# KiCad board numpad.kicad_pcb
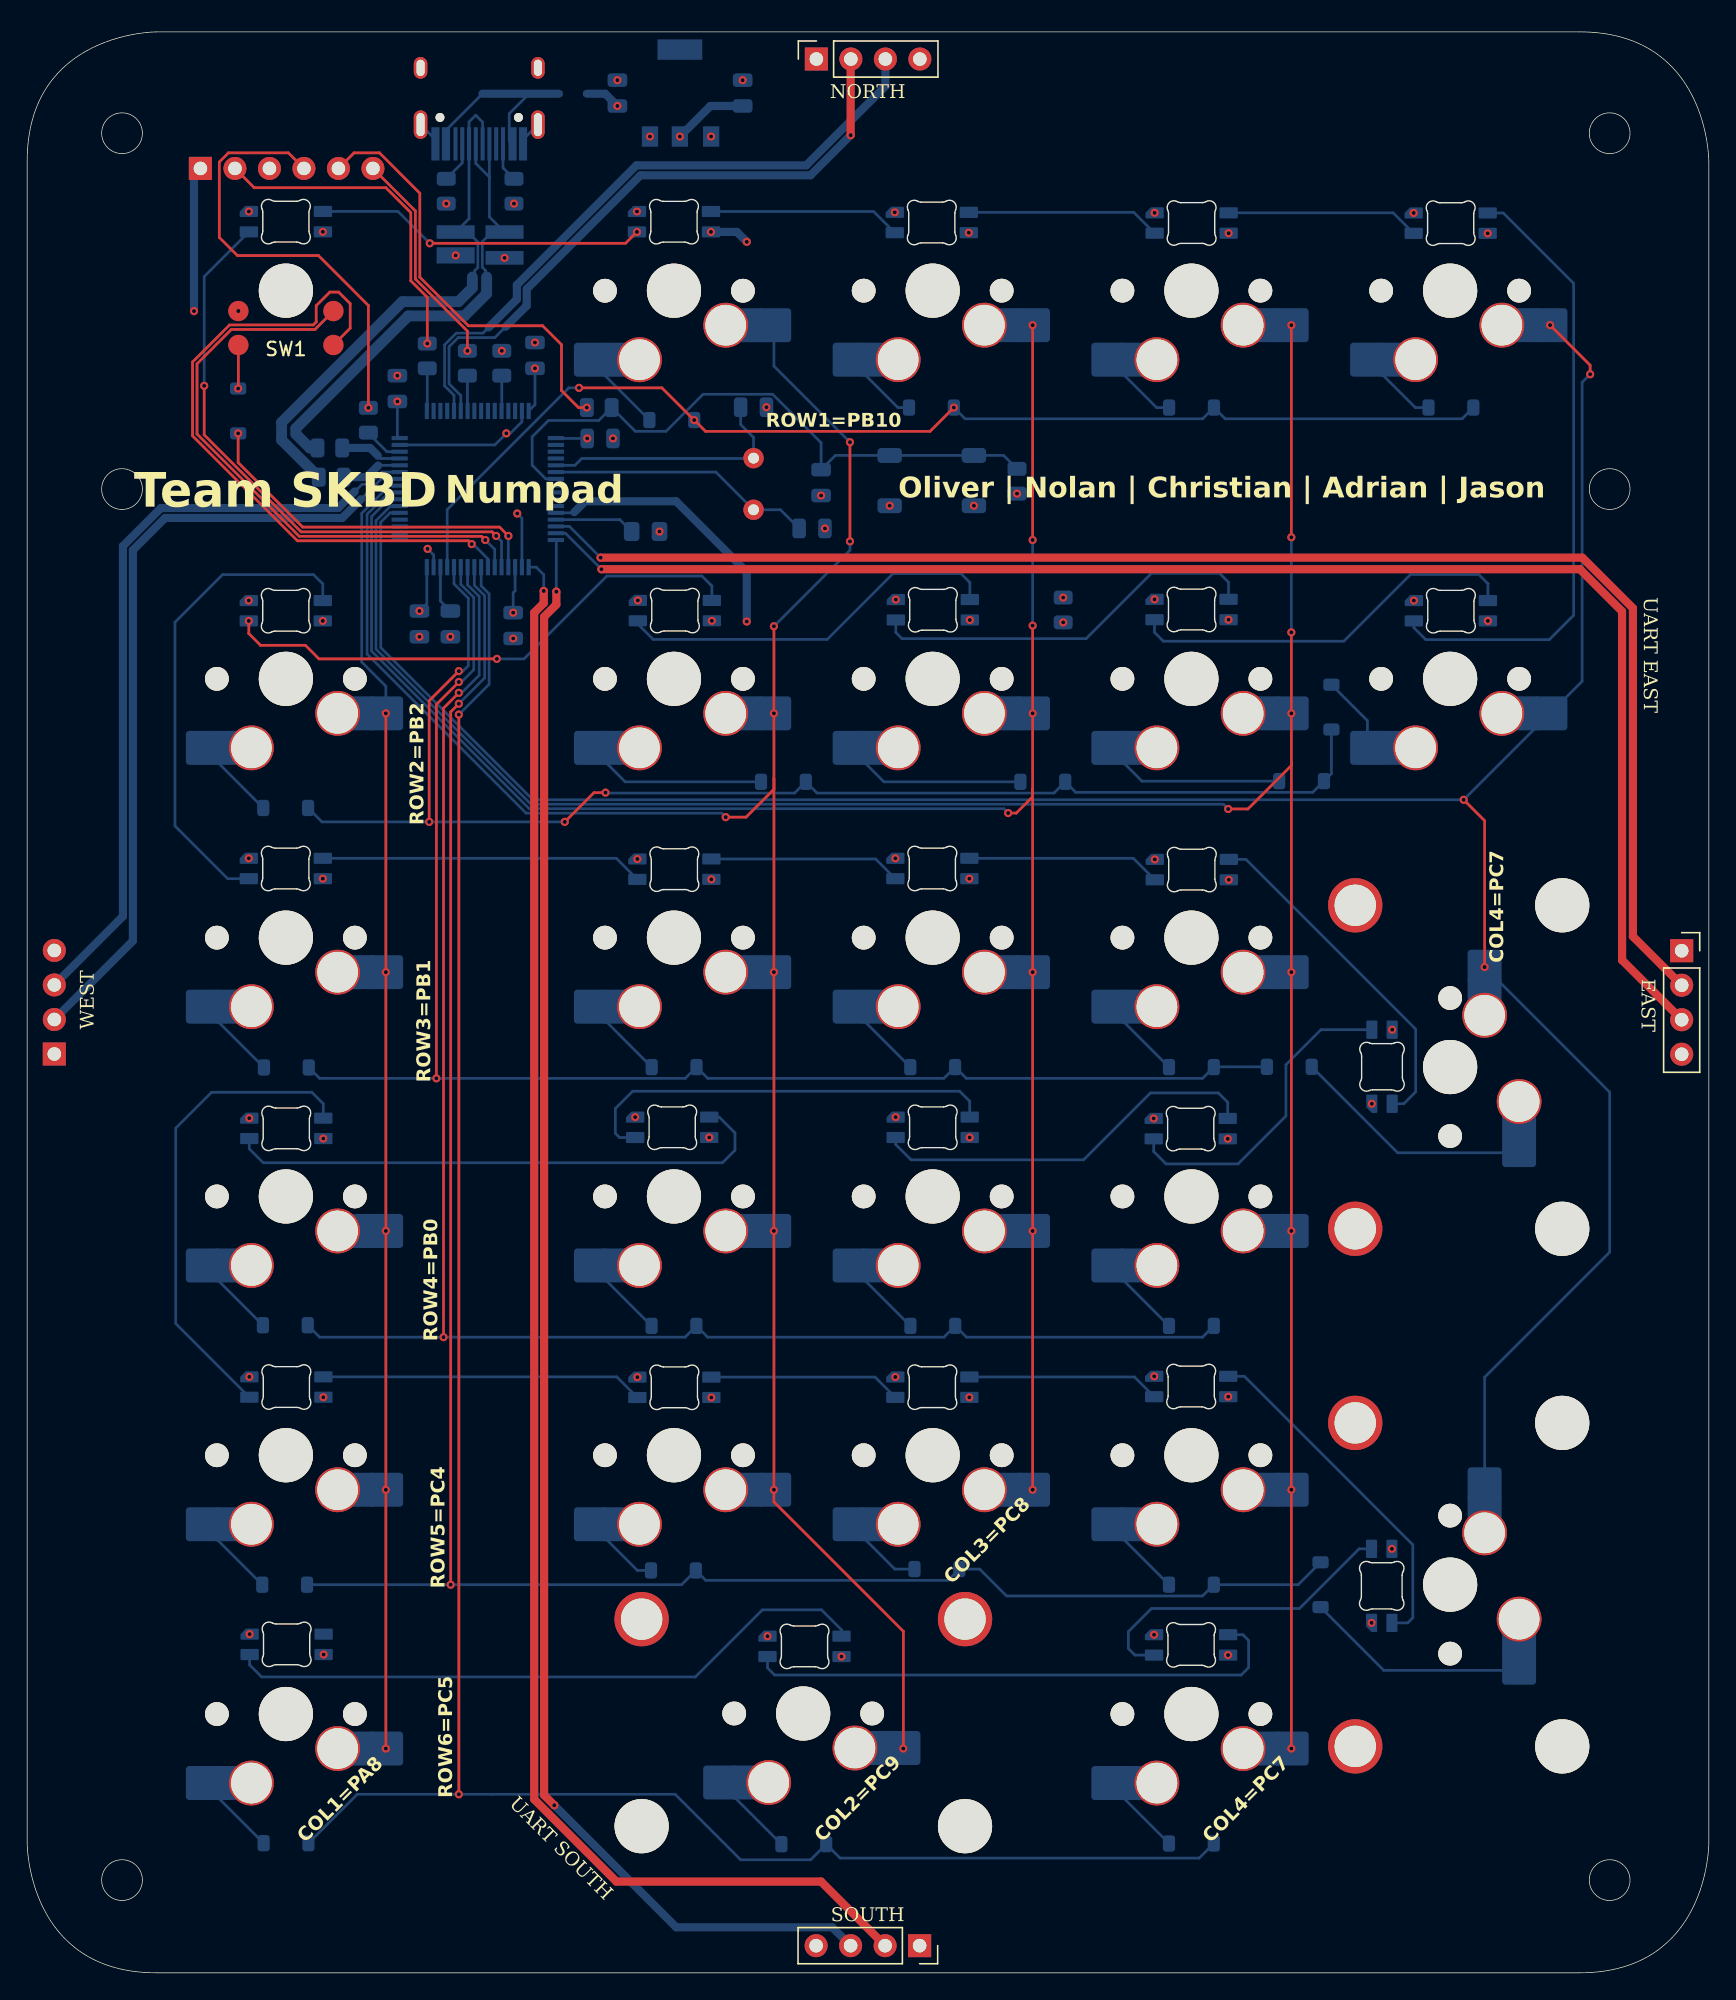
[diagram p0: board, top side]
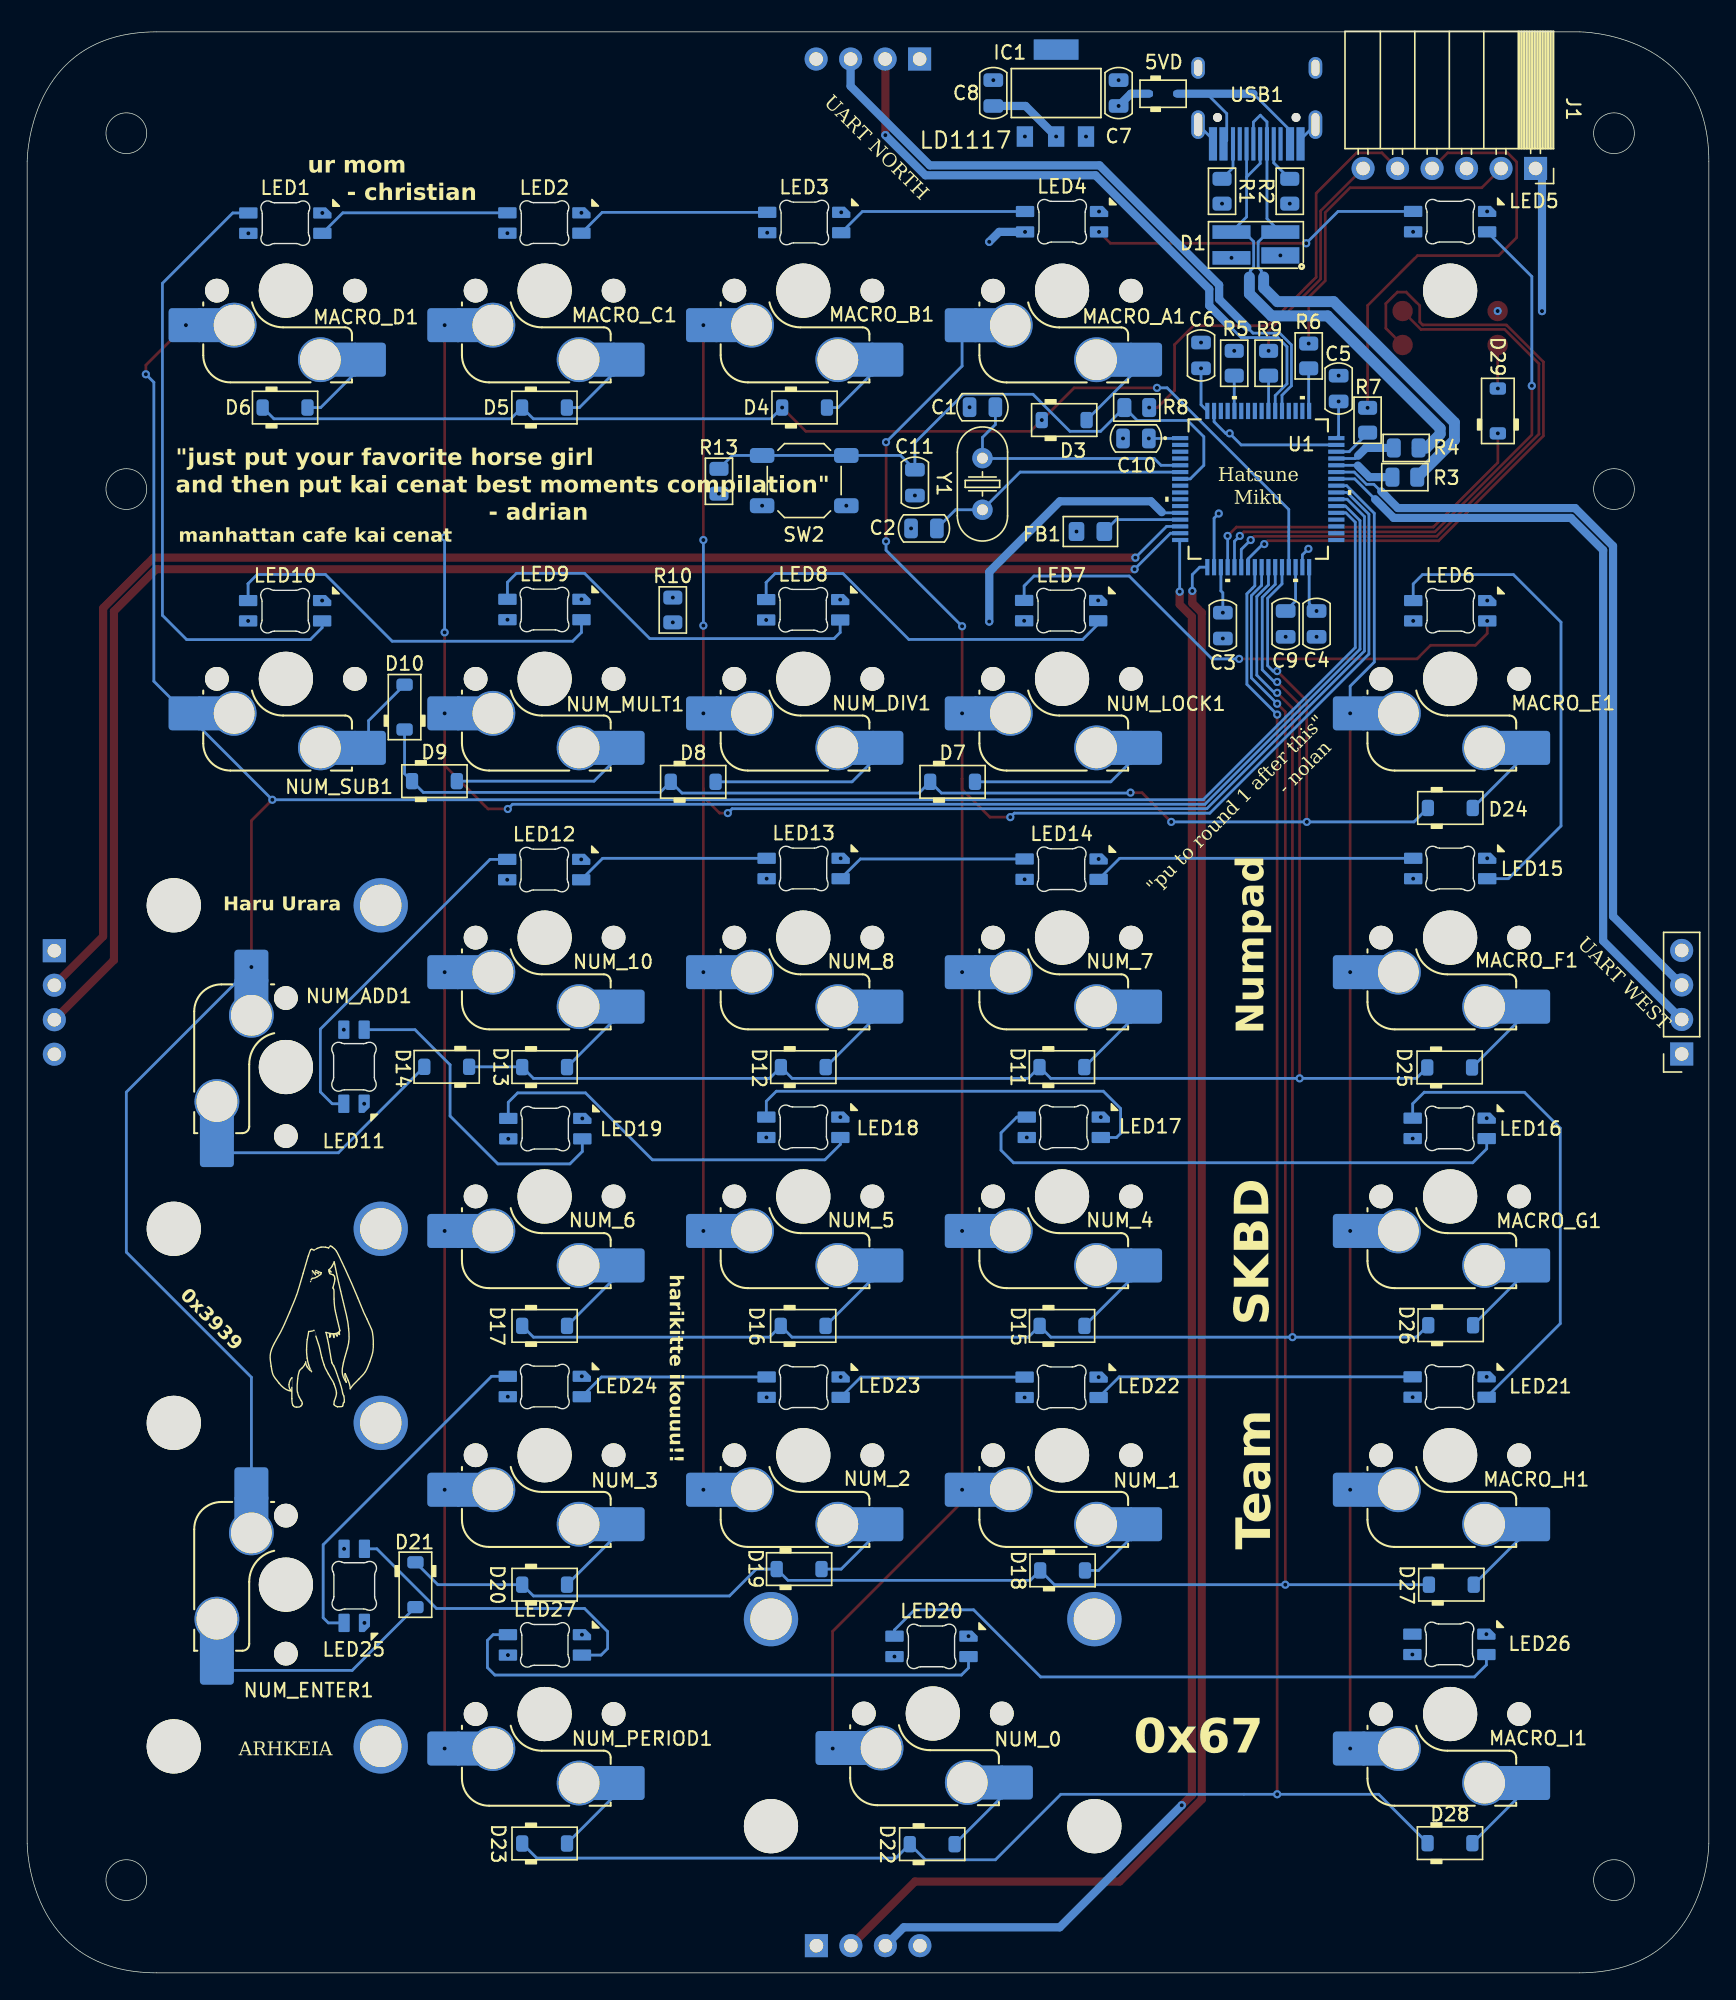
[diagram p1: board, bottom side, seen from below]

Outline 123.83 x 142.88 mm; copper layers: Top, In1.Cu, In2.Cu, Bottom. Coordinates in mm from the lower left corner of the outline.
Outline path: circle c6.99,135.41 r1.5 ; circle c6.99,109.22 r1.5 ; circle c6.99,6.83 r1.5 ; circle c116.52,135.41 r1.5 ; circle c116.52,109.22 r1.5 ; circle c116.52,6.83 r1.5 ; 0,133.35 0,9.52 ; 9.53,142.88 114.3,142.88 ; 114.3,0 9.53,0 ; 123.83,133.35 123.83,9.52
Stack: Top 0.035mm / dielectric 0.1mm FR4 er 4.5 / In1.Cu 0.035mm / dielectric 1.24mm FR4 er 4.5 / In2.Cu 0.035mm / dielectric 0.1mm FR4 er 4.5 / Bottom 0.035mm

## Placement (name value [footprint] x y rotation side)
C1  20pF  [C_0805_2012Metric]  53.48 115.24 0 bottom
C2  20pF  [C_0805_2012Metric]  57.79 106.32 0 bottom
C3  100nF  [C_0805_2012Metric]  35.79 99.17 270 bottom
C4  100nF  [C_0805_2012Metric]  28.89 99.29 270 bottom
C5  100nF  [C_0805_2012Metric]  27.26 116.62 90 bottom
C6  100nF  [C_0805_2012Metric]  37.39 119.06 90 bottom
C7  1uF  [C_0805_2012Metric]  43.46 138.37 90 bottom
C8  10uF  [C_0805_2012Metric]  52.69 138.37 270 bottom
C9  4.7uF  [C_0805_2012Metric]  31.16 99.29 90 bottom
C10  1uF  [C_0805_2012Metric]  42.19 112.94 0 bottom
C11  0.1uF  [C_0805_2012Metric]  58.46 109.69 90 bottom
D1  PRTR5V0U2X  [SOT-143_Handsoldering]  33.35 127.19 0 bottom
D2  BAT60JFILM  [D_SOD-323]  40.19 138.32 180 bottom
D3  1N4148W  [D_SOD-123]  47.47 114.3 180 bottom
D4  1N4148W  [D_SOD-123]  66.59 115.22 180 bottom
D5  1N4148W  [D_SOD-123]  85.73 115.22 180 bottom
D6  1N4148W  [D_SOD-123]  104.83 115.22 180 bottom
D7  1N4148W  [D_SOD-123]  55.69 87.67 180 bottom
D8  1N4148W  [D_SOD-123]  74.79 87.67 180 bottom
D9  1N4148W  [D_SOD-123]  93.84 87.72 180 bottom
D10  1N4148W  [D_SOD-123]  96.04 93.17 90 bottom
D11  1N4148W  [D_SOD-123]  47.64 66.67 180 bottom
D12  1N4148W  [D_SOD-123]  66.68 66.67 180 bottom
D13  1N4148W  [D_SOD-123]  85.73 66.67 180 bottom
D14  1N4148W  [D_SOD-123]  92.94 66.69 0 bottom
D15  1N4148W  [D_SOD-123]  47.62 47.62 180 bottom
D16  1N4148W  [D_SOD-123]  66.69 47.62 180 bottom
D17  1N4148W  [D_SOD-123]  85.73 47.62 180 bottom
D18  1N4148W  [D_SOD-123]  47.59 29.62 180 bottom
D19  1N4148W  [D_SOD-123]  66.98 29.72 180 bottom
D20  1N4148W  [D_SOD-123]  85.73 28.57 180 bottom
D21  1N4148W  [D_SOD-123]  95.23 28.57 270 bottom
D22  1N4148W  [D_SOD-123]  57.19 9.47 180 bottom
D23  1N4148W  [D_SOD-123]  85.73 9.52 180 bottom
D24  1N4148W  [D_SOD-123]  19.04 85.74 180 bottom
D25  1N4148W  [D_SOD-123]  19.09 66.64 180 bottom
D26  1N4148W  [D_SOD-123]  19.01 47.67 180 bottom
D27  1N4148W  [D_SOD-123]  18.96 28.57 180 bottom
D28  1N4148W  [D_SOD-123]  19.06 9.54 180 bottom
D29  1N4148W  [D_SOD-123]  15.54 114.97 90 bottom
EAST  Conn_01x04  [PinSocket_1x04_P2.54mm_Vertical]  121.83 75.24 0 top
FB1  Ferrite_Bead  [Fuse_0805_2012Metric_Pad1.15x1.40mm_BigPads]  45.54 106.09 0 bottom
IC1  LD1117  [SOT223]  48.06 138.37 180 bottom
J1  Conn_01x06  [PinSocket_1x06_P2.54mm_Horizontal]  12.76 132.82 270 bottom
LED1  MX_SK6812MINI-E  [LED_MX_6028R]  104.82 128.79 0 bottom
LED2  MX_SK6812MINI-E  [LED_MX_6028R]  85.74 128.8 0 bottom
LED3  MX_SK6812MINI-E  [LED_MX_6028R]  66.61 128.84 0 bottom
LED4  MX_SK6812MINI-E  [LED_MX_6028R]  47.62 128.9 0 bottom
LED5  MX_SK6812MINI-E  [LED_MX_6028R]  19.05 128.9 0 bottom
LED6  MX_SK6812MINI-E  [LED_MX_6028R]  19.04 100.26 0 bottom
LED7  MX_SK6812MINI-E  [LED_MX_6028R]  47.69 100.27 0 bottom
LED8  MX_SK6812MINI-E  [LED_MX_6028R]  66.69 100.33 0 bottom
LED9  MX_SK6812MINI-E  [LED_MX_6028R]  85.74 100.35 0 bottom
LED10  MX_SK6812MINI-E  [LED_MX_6028R]  104.83 100.26 0 bottom
LED11  MX_SK6812MINI-E  [LED_MX_6028R]  99.76 66.7 90 bottom
LED12  MX_SK6812MINI-E  [LED_MX_6028R]  85.76 81.21 0 bottom
LED13  MX_SK6812MINI-E  [LED_MX_6028R]  66.65 81.29 0 bottom
LED14  MX_SK6812MINI-E  [LED_MX_6028R]  47.66 81.24 0 bottom
LED15  MX_SK6812MINI-E  [LED_MX_6028R]  19.04 81.29 0 bottom
LED16  MX_SK6812MINI-E  [LED_MX_6028R]  19.08 62.16 0 bottom
LED17  MX_SK6812MINI-E  [LED_MX_6028R]  47.5 62.24 0 bottom
LED18  MX_SK6812MINI-E  [LED_MX_6028R]  66.68 62.24 0 bottom
LED19  MX_SK6812MINI-E  [LED_MX_6028R]  85.68 62.14 0 bottom
LED20  MX_SK6812MINI-E  [LED_MX_6028R]  57.24 24.03 0 bottom
LED21  MX_SK6812MINI-E  [LED_MX_6028R]  19.09 43.12 0 bottom
LED22  MX_SK6812MINI-E  [LED_MX_6028R]  47.66 43.1 0 bottom
LED23  MX_SK6812MINI-E  [LED_MX_6028R]  66.65 43.11 0 bottom
LED24  MX_SK6812MINI-E  [LED_MX_6028R]  85.71 43.16 0 bottom
LED25  MX_SK6812MINI-E  [LED_MX_6028R]  99.74 28.48 90 bottom
LED26  MX_SK6812MINI-E  [LED_MX_6028R]  19.11 24.18 0 bottom
LED27  MX_SK6812MINI-E  [LED_MX_6028R]  85.7 24.14 0 bottom
MACRO_A1  MX_SW_HS  [SW_MX_HS_CPG151101S11_1u]  47.62 123.82 0 bottom
MACRO_B1  MX_SW_HS  [SW_MX_HS_CPG151101S11_1u]  66.68 123.82 0 bottom
MACRO_C1  MX_SW_HS  [SW_MX_HS_CPG151101S11_1u]  85.73 123.82 0 bottom
MACRO_D1  MX_SW_HS  [SW_MX_HS_CPG151101S11_1u]  104.77 123.82 0 bottom
MACRO_E1  MX_SW_HS  [SW_MX_HS_CPG151101S11_1u]  19.05 95.25 0 bottom
MACRO_F1  MX_SW_HS  [SW_MX_HS_CPG151101S11_1u]  19.05 76.2 0 bottom
MACRO_G1  MX_SW_HS  [SW_MX_HS_CPG151101S11_1u]  19.05 57.15 0 bottom
MACRO_H1  MX_SW_HS  [SW_MX_HS_CPG151101S11_1u]  19.05 38.1 0 bottom
MACRO_I1  MX_SW_HS  [SW_MX_HS_CPG151101S11_1u]  19.05 19.05 0 bottom
NORTH  Conn_01x04  [PinSocket_1x04_P2.54mm_Vertical]  58.11 140.88 90 top
NUM_0  MX_SW_HS  [SW_MX_HS_CPG151101S11_1u]  57.14 19.09 0 bottom
NUM_1  MX_SW_HS  [SW_MX_HS_CPG151101S11_1u]  47.62 38.1 0 bottom
NUM_2  MX_SW_HS  [SW_MX_HS_CPG151101S11_1u]  66.68 38.1 0 bottom
NUM_3  MX_SW_HS  [SW_MX_HS_CPG151101S11_1u]  85.73 38.1 0 bottom
NUM_4  MX_SW_HS  [SW_MX_HS_CPG151101S11_1u]  47.62 57.15 0 bottom
NUM_5  MX_SW_HS  [SW_MX_HS_CPG151101S11_1u]  66.68 57.15 0 bottom
NUM_6  MX_SW_HS  [SW_MX_HS_CPG151101S11_1u]  85.73 57.15 0 bottom
NUM_7  MX_SW_HS  [SW_MX_HS_CPG151101S11_1u]  47.62 76.2 0 bottom
NUM_8  MX_SW_HS  [SW_MX_HS_CPG151101S11_1u]  66.68 76.2 0 bottom
NUM_10  MX_SW_HS  [SW_MX_HS_CPG151101S11_1u]  85.73 76.2 0 bottom
NUM_ADD1  MX_SW_HS  [SW_MX_HS_CPG151101S11_1u]  104.77 66.67 90 bottom
NUM_DIV1  MX_SW_HS  [SW_MX_HS_CPG151101S11_1u]  66.68 95.25 0 bottom
NUM_ENTER1  MX_SW_HS  [SW_MX_HS_CPG151101S11_1u]  104.77 28.57 90 bottom
NUM_LOCK1  MX_SW_HS  [SW_MX_HS_CPG151101S11_1u]  47.62 95.25 0 bottom
NUM_MULT1  MX_SW_HS  [SW_MX_HS_CPG151101S11_1u]  85.73 95.25 0 bottom
NUM_PERIOD1  MX_SW_HS  [SW_MX_HS_CPG151101S11_1u]  85.73 19.05 0 bottom
NUM_SUB1  MX_SW_HS  [SW_MX_HS_CPG151101S11_1u]  104.77 95.25 0 bottom
R1  5.1k  [R_0805_2012Metric]  35.84 131.14 270 bottom
R2  5.1k  [R_0805_2012Metric]  30.86 131.14 270 bottom
R3  22  [R_0805_2012Metric]  22.38 110.1 180 bottom
R4  22  [R_0805_2012Metric]  22.29 112.25 0 bottom
R5  10k  [R_0805_2012Metric]  34.95 118.48 270 bottom
R6  22  [R_0805_2012Metric]  29.46 119.02 270 bottom
R7  22  [R_0805_2012Metric]  25.13 114.29 270 bottom
R8  22  [R_0805_2012Metric]  42.12 115.22 180 bottom
R9  22  [R_0805_2012Metric]  32.42 118.48 270 bottom
R10  DNP  [R_0805_2012Metric]  76.29 100.32 90 bottom
R13  DNP  [R_0805_2012Metric]  72.89 109.79 270 bottom
S1  MX_stab  [STAB_MX_P_2u]  104.77 66.67 90 top
S2  MX_stab  [STAB_MX_P_2u]  104.77 28.57 90 top
S3  MX_stab  [STAB_MX_P_2u]  57.15 19.05 0 top
SOUTH  Conn_01x04  [PinSocket_1x04_P2.54mm_Vertical]  65.71 2 270 top
SW1  ROT_SKYLOONG_HS  [ROT_SKYLOONG_HS-Switch]  19.05 123.82 0 top
SW2  Push_Button  [SW_SPST_SKQG_WithStem]  66.61 109.84 180 bottom
U1  ~  [LQFP64-10x10mm]  33.18 109.22 180 bottom
USB1  HRO-TYPE-C-31-M-12  [HRO-TYPE-C-31-M-12-HandSoldering]  33.29 142.82 0 bottom
WEST  Conn_01x04  [PinSocket_1x04_P2.54mm_Vertical]  2 67.64 0 bottom
Y1  8MHz  [Crystal_HC52-U_Vertical]  53.48 107.69 90 bottom

## Library data of the parts
C1-C11 = -: Description: SMD 0805 MLCC capacitor, Alternate KiCad Library; ki_fp_filters: C_*
D1 = -: Datasheet: https://www.tme.eu/Document/4eac14af69261014af6cc93b35742953/PRTR5V0U2X-DTE.pdf; Description: SOT-143 TVS Diode Array, 2 protected lines, 5.5V, Alternate KiCAD Library; ki_fp_filters: TO-???* *_Diode_* *SingleDiode* D_*
D2 = -: Description: Diode; ki_fp_filters: TO-???* *SingleDiode *_Diode_* *SingleDiode* D_*
D3-D29 = -: Datasheet: https://datasheet.octopart.com/1N4148W-HE3-18-Vishay-datasheet-17291302.pdf; Description: SOD-123 Diode, Small Signal, Fast Switching, 75V, 150mA, 4ns, Alternate KiCad Library; ki_fp_filters: TO-???* *_Diode_* *SingleDiode* D_*
EAST NORTH SOUTH WEST = -: Description: HEADER 1x4 MALE PINS 0.100” 180deg; Specifications: HEADER 1x4 MALE PINS 0.100” 180deg; Manufacturer: TAD; Part Number: 1-0401FBV0T; ki_fp_filters: Connector*:*_??x*mm* Connector*:*1x??x*mm* Pin?Header?Straight?1X* Pin?Header?Angled?1X* Socket?Strip?Straight?1X* Socket?Strip?Angled?1X*
FB1 = -: Description: Ferrite bead, Alternate KiCAD Library; ki_fp_filters: *Fuse*
IC1 = -: Datasheet: https://www.mouser.com/datasheet/2/389/cd00000544-1795431.pdf; Description: 3.3V Voltage Regulator, SOT-223-3, Imax=0.8A, VinMax=15V, Vdrop=1V; Manufacturer: STMicroelectronics; Part Number: LD1117S33CTR; ki_fp_filters: *TO-252-2* *TO?252?2*
J1 = -: Description: HEADER 1x6 MALE PINS 0.100” 180deg; Specifications: HEADER 1x6 MALE PINS 0.100” 180deg; Manufacturer: TAD; Part Number: 1-0601FBV0T; ki_fp_filters: Connector*:*_??x*mm* Connector*:*1x??x*mm* Pin?Header?Straight?1X* Pin?Header?Angled?1X* Socket?Strip?Straight?1X* Socket?Strip?Angled?1X*
LED1-LED27 = -: Description: Reverse mount adressable LED (WS2812 protocol)
MACRO_A1 MACRO_B1 MACRO_C1 MACRO_D1 MACRO_E1 MACRO_F1 MACRO_G1 MACRO_H1 MACRO_I1 NUM_0-NUM_8 NUM_10 NUM_ADD1 NUM_DIV1 NUM_ENTER1 NUM_LOCK1 NUM_MULT1 NUM_PERIOD1 NUM_SUB1 = -: Description: Push button switch, normally open, two pins, 45° tilted, Kailh CPG151101S11 for Cherry MX style switches
R1-R10 R13 = -: Description: SMD 0805 Chip Resistor, European Symbol, Alternate KiCad Library; ki_fp_filters: R_*
S1-S3 = -: Description: Cherry MX-style stabilizer
SW1 = -: Datasheet: https://skyloong.vip/products/abs-hot-swappable-knobs-madule; Description: SKYLOONG hotswap encoder module
SW2 = -: Description: Common 6mmx6mm Push Button
Y1 = -: Description: 8Mz Crystal
